# Altium PCB SCP.PcbDoc
Units mil, origin at the board's own origin, x right, y up, seen from the top; angles counter-clockwise.
Board outline 5246.53 x 1889.76 mil, 2 copper layers (Top Layer, Bottom Layer); 35 components, 17 nets, 98 pads, 16 vias.
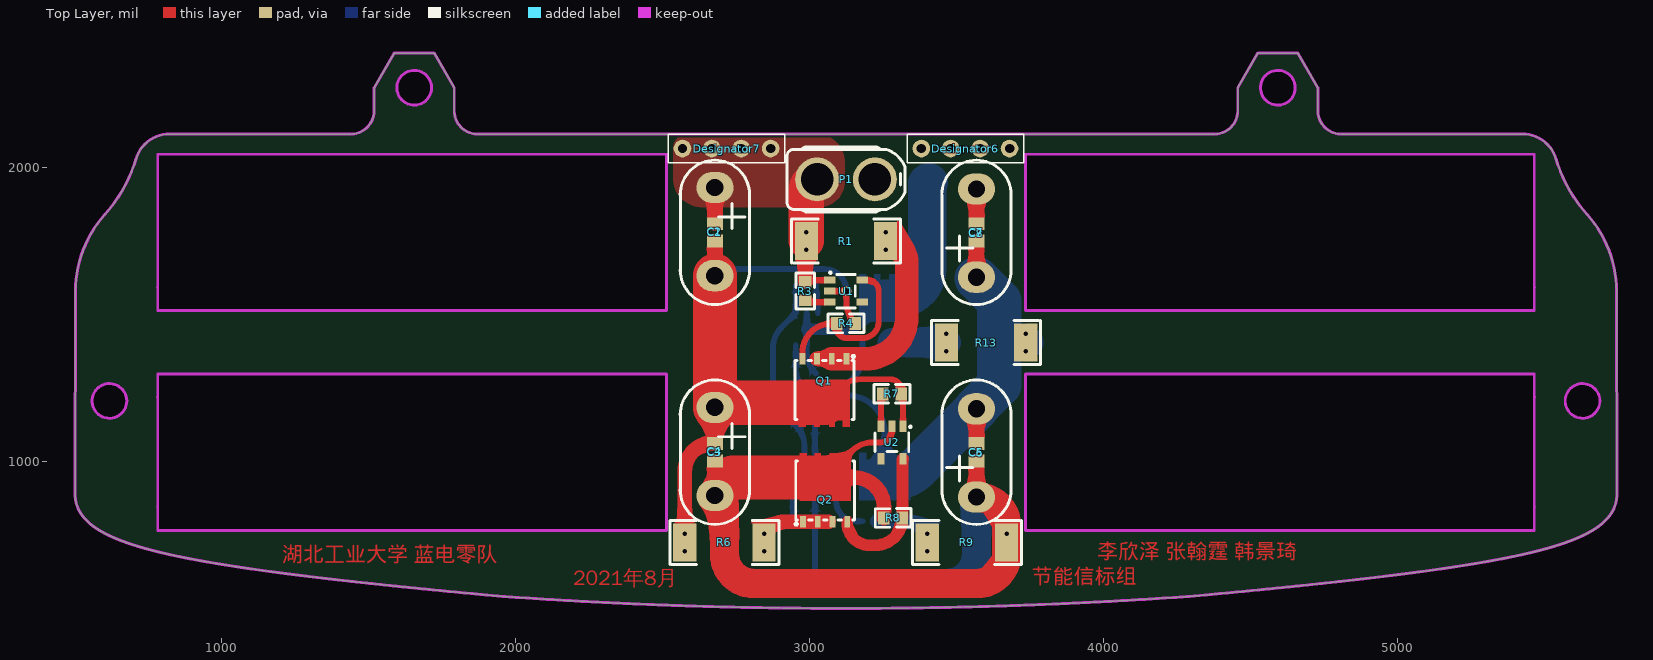
[diagram p0: Top Layer view]
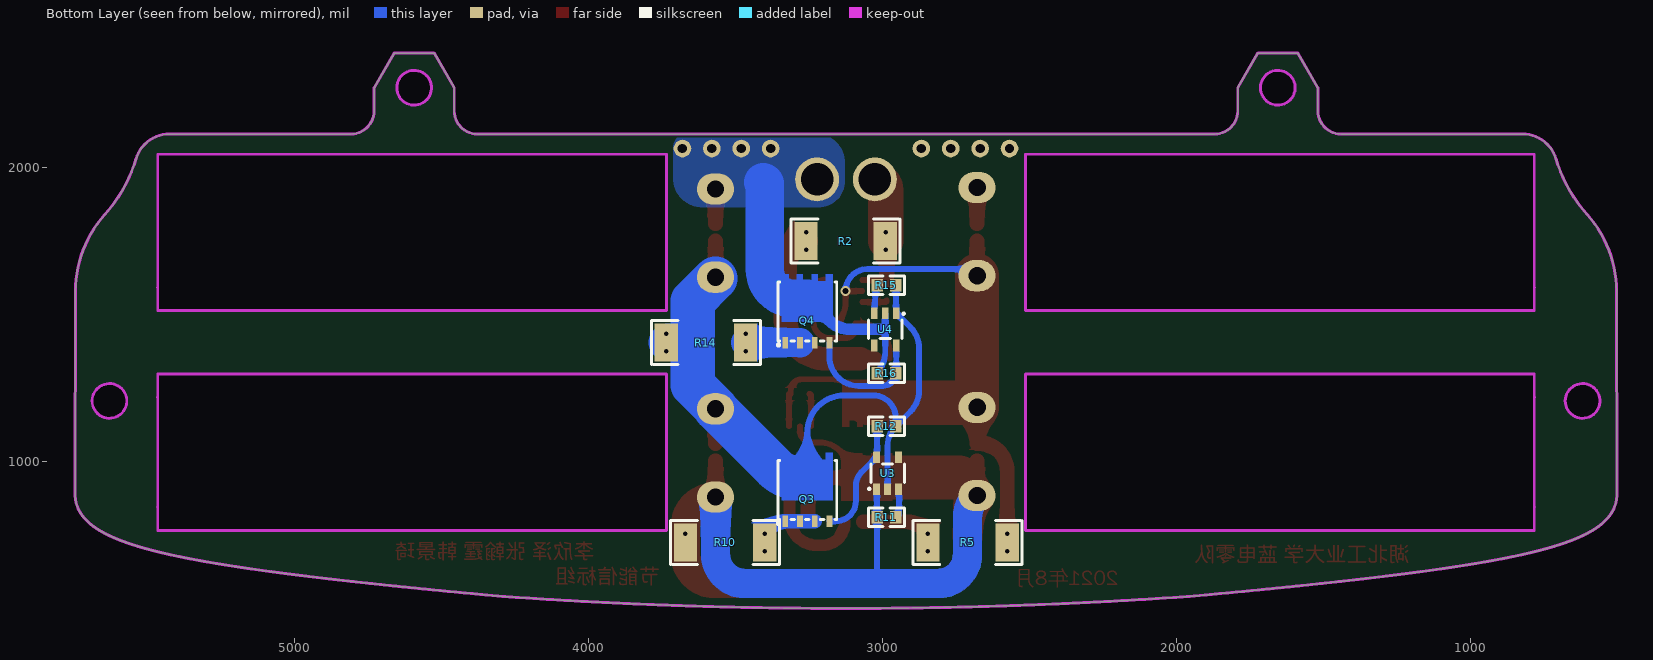
[diagram p1: Bottom Layer view, seen from below]

## Layer stack, top to bottom
Top Solder: solder mask 0.4, Solder Resist, Dk 3.5
Top Layer: signal copper 1.4
Dielectric 1: dielectric 12.6, FR-4, Dk 4.8
Bottom Layer: signal copper 1.4
Bottom Solder: solder mask 0.4, Solder Resist, Dk 3.5

## Board outline
1156 vertices, not listed, extent 500.25,500.25 5746.78,2390.01
cut-out: 617.44,1147.14 cw(c617.44,1206.2) 558.39,1206.2 cw(c617.44,1206.2) 617.44,1265.25 cw(c617.44,1206.2) 676.5,1206.2 cw(c617.44,1206.2)
cut-out: 1654.22,2212.85 cw(c1654.22,2271.9) 1595.17,2271.9 cw(c1654.22,2271.9) 1654.22,2330.96 cw(c1654.22,2271.9) 1713.28,2271.9 cw(c1654.22,2271.9)
cut-out: 4533.75,2271.9 ccw(c4592.81,2271.9) 4592.81,2212.85 ccw(c4592.81,2271.9) 4651.86,2271.9 ccw(c4592.81,2271.9) 4592.81,2330.96 ccw(c4592.81,2271.9)
cut-out: 5570.53,1206.2 ccw(c5629.59,1206.2) 5629.59,1147.14 ccw(c5629.59,1206.2) 5688.64,1206.2 ccw(c5629.59,1206.2) 5629.59,1265.25 ccw(c5629.59,1206.2)
cut-out: 3733.75,766 5465.26,766 5465.26,1297.49 3733.75,1297.49
cut-out: 3733.75,1514.03 5465.26,1514.03 5465.26,2045.52 3733.75,2045.52
cut-out: 781.77,1514.03 781.77,2045.52 2513.28,2045.52 2513.28,1514.03
cut-out: 781.77,766 2513.28,766 2513.28,1297.49 781.77,1297.49

## Design rules (kind name [scope] priority, off if disabled: settings)
Clearance [All] p1: gap=8 ignorepadtopadclearanceinfootprint=TRUE
HoleSize [All] p1: absolutevalues=TRUE maxlimit=10000 minlimit=1 maxpercent=80.000 minpercent=20.000
HoleToHoleClearance [All] p1: gap=8 allowstackedmicrovias=TRUE
MinimumSolderMaskSliver [All] p1: minsoldermaskwidth=8
PolygonConnect PolygonConnect_2 [All vs IsNamedPolygon('eGND_L02_P012') or IsNamedPolygon('NONET_L-01_P-001') or IsNamedPolygon('NONET_L-01_P-001')] p1: thpad.connectstyle=Direct thpad.reliefconductorwidth=10 thpad.reliefentries=4 thpad.polygonreliefangle="90 Angle" thpad.airgapwidth=10 smdpad.connectstyle=Relief smdpad.reliefconductorwidth=10 smdpad.reliefentries=4 smdpad.polygonreliefangle="90 Angle" smdpad.airgapwidth=10 via.connectstyle=Relief via.reliefconductorwidth=10 via.reliefentries=4 via.polygonreliefangle="90 Angle" via.airgapwidth=10
PolygonConnect PolygonConnect_1 [All vs IsNamedPolygon('ISN_L01_P010')] p2: thpad.connectstyle=Direct thpad.reliefconductorwidth=10 thpad.reliefentries=4 thpad.polygonreliefangle="90 Angle" thpad.airgapwidth=10 smdpad.connectstyle=Relief smdpad.reliefconductorwidth=10 smdpad.reliefentries=4 smdpad.polygonreliefangle="90 Angle" smdpad.airgapwidth=10 via.connectstyle=Relief via.reliefconductorwidth=10 via.reliefentries=4 via.polygonreliefangle="90 Angle" via.airgapwidth=10
PolygonConnect [All] p3: connectstyle=Relief reliefconductorwidth=10 reliefentries=4 polygonreliefangle="90 Angle" airgapwidth=10
RoutingVias [All] p1: holewidth=14 width=24 viastyle="Through Hole" minholewidth=12 minwidth=23.94 maxholewidth=30 maxwidth=50
SilkToSilkClearance [All] p1: silktosilkclearance=0
SilkToSolderMaskClearance [IsPad] p1: minsilkscreentomaskgap=0 clearancetoexposedcopper=TRUE
SolderMaskExpansion [All] p1: expansion=4 istentingtop=FALSE
UnRoutedNet [All] p1: checkbadconnections=TRUE
Width [All] p1: maxlimit=300 minlimit=10 preferedwidth=60 minimp=50.000000 maximp=50.000000 favimp=50.000000
24 further rules are at their usual default settings.

## Classes and differential pairs
component class Ver.4_SCP: C1 C2 C3 C4 C5 C6 C7 C8 P1 Q1 Q2 Q3 Q4 R1 R2 R3 R4 R5 R6 R7 R8 R9 R10 R11 R12 R13 R14 R15 R16 U1 U2 U3 U4

## Components (designator, comment, footprint, x,y, rotation, side; value= is the part's Value field where it differs from the comment)
C1 "104" C0805 2677.5,1779.78 r90 top
C2 "104" "PCBComponent_1 - duplicate" 2680,1782.28 r180 top
C3 "104" C0805 2677.5,1031.75 r90 top
C4 "104" "PCBComponent_1 - duplicate" 2680,1034.25 r180 top
C5 "104" C0805 3567.5,1031.75 r270 top
C6 "104" "PCBComponent_1 - duplicate" 3565,1029.25 r0 top
C7 "104" C0805 3567.5,1779.78 r270 top
C8 "104" "PCBComponent_1 - duplicate" 3565,1777.28 r0 top
Designator6 "Comment" HDR_1X4#1 3380,2065 r90 top
Designator7 "Comment" HDR_1X4#2 2867.07,2065 r90 top
P1 "" "XT30 DIP" 3025.11,1960 r0 top
Q1 "TPH1R403NL" POWERVDFN-8_L6.2-W5.2-P1.27-LS6.0-BL 3050.15,1280 r180 top
Q2 "TPH1R403NL" POWERVDFN-8_L6.2-W5.2-P1.27-LS6.0-BL 3052.5,865 r0 top
Q3 "TPH1R403NL" POWERVDFN-8_L6.2-W5.2-P1.27-LS6.0-BL 3255,866.87 r180 bottom
Q4 "TPH1R403NL" POWERVDFN-8_L6.2-W5.2-P1.27-LS6.0-BL 3255,1474.3 r180 bottom
R1 "4R7" "R2512 1" 3123.52,1750 r0 top
R2 "4R7" "R2512 1" 3125,1750 r0 bottom
R3 "1k" R0603 2985,1580 r90 top
R4 "1k" R0603 3123.53,1470 r180 top
R5 "4R7" "R2512 1" 2710,725 r0 bottom
R6 "4R7" "R2512 1" 2710,725 r0 top
R7 "1k" R0603 3280,1230 r0 top
R8 "1k" R0603 3284,807.93 r0 top
R9 "4R7" "R2512 1" 3535,725 r180 top
R10 "4R7" "R2512 1" 3535,725 r180 bottom
R11 "1k" R0603 2985.98,810 r0 bottom
R12 "1k" R0603 2985.98,1120 r0 bottom
R13 "4R7" "R2512 1" 3600,1405 r180 top
R14 "4R7" "R2512 1" 3600,1405 r180 bottom
R15 "1k" R0603 2986,1600 r180 bottom
R16 "1k" R0603 2986,1300 r180 bottom
U1 "" TSOT-23-5_L2.9-W1.6-P0.95-LS2.8-BL 3123.52,1580 r270 top
U2 "" TSOT-23-5_L2.9-W1.6-P0.95-LS2.8-BL 3280,1065 r180 top
U3 "" TSOT-23-5_L2.9-W1.6-P0.95-LS2.8-BL 2981.98,960.12 r180 bottom
U4 "" TSOT-23-5_L2.9-W1.6-P0.95-LS2.8-BL 2990,1450 r0 bottom

## Footprints (in the part's own frame and the unit in brackets; to place one, negate y for a bottom-side part, rotate by r counter-clockwise, add the part's x,y. Pads: shape width x height; smd on the part's side, far side on the other; paste and mask are expansions set on the pad)
C0805 [mm] "Chip Capacitor, Body 2.0x1.3mm, IPC High Density"
  rect 1.1x1.4 smd: 1(-0.75,0) 2(0.75,0)
  body extent -1.1,-0.72 1.1,0.72, height 1.4
HDR_1X4#1 [mil] "HDR_1X4_2.54_180"
  round 60 hole 32: 1(0,0) 2(0,-100) 3(0,-200) 4(0,-300)
  silkscreen extent -48,-348 48,48, body extent -49,-350 49,50, height 323
HDR_1X4#2 [mil] "HDR_1X4_2.54_180"
  round 60 hole 32: 1(0,0) 2(0,100) 3(0,200) 4(0,300)
  silkscreen extent -48,-48 48,348, body extent -49,-58 49,342, height 323
"PCBComponent_1 - duplicate" [mm]
  oval 3.2x2.7 hole 1.5: 1(0.064,3.81) 2(0.064,-3.81)
  silkscreen extent -2.94,-6.17 3.06,6.3
POWERVDFN-8_L6.2-W5.2-P1.27-LS6.0-BL [mm] "5"
  rect 0.5x1 smd: 1(-1.905,-1.775) 2(-0.635,-1.775) 3(0.635,-1.775) 4(1.905,-1.775)
  round 0 all layers, no hole: 5(0,2.032)
  Top Layer region: -2.2,0.025 -2.2,4.125 -1.6,4.125 -1.6,3.525 -0.9,3.525 -0.9,4.125 -0.4,4.125 -0.4,3.525 0.4,3.525 0.4,4.125 0.9,4.125 0.9,3.525 1.6,3.525 1.6,4.125 2.2,4.125 2.2,0.025
  silkscreen extent -2.6,-2.07 2.54,3.47
R0603 [mm]
  rect 1x1.1 smd: 1(-0.8,0) 2(0.8,0)
  silkscreen extent -1.55,-0.8 1.55,0.81
"R2512 1" [mm]
  rect 2x3.3 smd: 1(-3.429,0) 2(3.429,0)
  silkscreen extent -4.7,-1.91 4.7,1.91
TSOT-23-5_L2.9-W1.6-P0.95-LS2.8-BL [mm]
  rect 0.6x1 smd: 1(-0.95,-1.4) 2(0,-1.4) 3(0.95,-1.4) 4(0.95,1.4) 5(-0.95,1.4)
  silkscreen extent -1.65,-1.41 1.45,0.8
"XT30 DIP" [mm]
  round 3.8 hole 2.8: 1(0,0) 2(5,0)
  silkscreen extent -2.6,-2.8 7.6,2.8

## Part data
P1: library part "XT30 DIP", "XT30 板载直头直插"
Q1 Q2 Q3 Q4: BOM_JLCPCB Part Class="Extended Part", BOM_Manufacturer=TOSHIBA, BOM_Manufacturer Part=TPH1R403NL, BOM_Supplier=LCSC, BOM_Supplier Part=C83440, spicePre=Q, spiceSymbolName=TPH1R403NL
R1 R2 R5 R6 R9 R10 R13 R14: BOM_Manufacturer=PANASONIC, BOM_Manufacturer Part=ERJPB6B4701V, BOM_Supplier=LCSC, BOM_Supplier Part=C413739, Contributor=LCSC, nameAlias="Resistance (Ohms)", spicePre=R, spiceSymbolName=ERJPB6B4701V
U1 U3 U4: library part BW6101, BOM_LCSC Assembly=Yes, BOM_Manufacturer=00, BOM_Manufacturer Part=00, BOM_Supplier Part=0000, Contributor=futuresailor, link=00, SMT Type=Extend, spicePre=U, spiceSymbolName=BW6101
U2: library part BW6101, BOM_LCSC Assembly=Yes, Contributor=futuresailor, link=00, SMT Type=Extend, spicePre=U, spiceSymbolName=BW6101
C1 C2 C3 C4 C5 C6 C7 C8: Contributor=LCEDA_Lib, nameAlias=Value(F), spicePre=C, spiceSymbolName=C_0805_US
R3 R4 R7 R8 R11 R12 R15 R16: Contributor=LCEDA_Lib, nameAlias=Value(Ω), spicePre=R, spiceSymbolName=R_0603_EU

## Via types
v1: diameter 30, hole 15, Top Layer to Bottom Layer, 15 vias
v2: diameter 35, hole 20, Top Layer to Bottom Layer, tented both sides, 1 vias

## Nets (pads, with @x,y where several pads share a name; then routed paths per layer and width w, separated by ;. In a path a pad name is that pad's centre, name@x,y a point inside that pad or via, vN(x,y) a via of type N, cw(c..) or ccw(c..) an arc to the next point about the centre after c; other vN are vias at no path point)
GND: C7.1 C8.1 Designator6.1 Designator6.2 Designator6.3 Designator6.4 P1.2 Q4.5 R16.1 U4.2 | length 1143.1
  Top Layer w20: C8.1@3560,1903.96 cw(c3568.54,1903.96) C8.1@3562.5,1910
  Top Layer w50: C7.1 C8.1
  Bottom Layer w20: U4.2 2990,1450 2990,1372.91 ccw(c3090,1372.91) 3019.29,1302.2 R16.1@3021.49,1300
  Bottom Layer w40: 2990,1450 3109.28,1450 ccw(c3109.28,1550) 3179.99,1479.29 Q4.5
  Bottom Layer w130: Q4.5 3300,1554.3 ccw(c3300,1654.3) 3400,1654.3 3400,1945 cw(c3405,1945) 3405,1950
ISN: C1.2 C2.2 Designator7.1 Designator7.2 Designator7.3 Designator7.4 P1.1 R1.1 R2.1 R3.2 U1.1 | length 551.1
  Top Layer w20: R3.2 cw(c2990.91,1611.49) 2990.91,1617.4 U1.1
  Top Layer w50: C1.2 C2.2 ; R3.2 2985,1716.48 cw(c2988.52,1716.48) v1(2988.52,1720)
  Top Layer w120: R1.1 v1(2988.52,1780) 2988.52,1923.41 cw(c3025.11,1923.41) P1.1
NetC1_1: C1.1 C2.1 C3.2 C4.2 Q1.5 R4.1 R5.1 R6.1 R7.2 U1.2 U2.1 | length 2643.4
  Top Layer w20: C2.1 cw(c2705.22,1632.28) 2677.5,1632.55 cw(c2705.22,1632.28) C2.1@2705.22,1660 ; Q1.5 3089.68,1200 cw(c3169.68,1200) 3169.68,1280 3275,1280 cw(c3275,1243.51) 3311.49,1243.51 R7.2 ; U1.2 v2(3125,1580) 3125,1541.44 ccw(c3225,1541.44) 3154.29,1470.73 R4.1 ; U2.1 R7.2@3317.4,1230
  Top Layer w50: R6.1 v1(2575,755) 2575,966.23 cw(c2673.77,966.23) 2650.62,1062.25 cw(c2662.31,1013.63) C3.2 C4.2 ; C2.1@2677.5,1632.55 C1.1
  Top Layer w100: C4.2 cw(c2693.25,1184.25) C4.2@2693.25,1200
  Top Layer w150: C4.2 C2.1 ; C4.2@2693.25,1200 Q1.5
  Bottom Layer w20: C2.1 cw(c2700.22,1632.28) 2700.22,1655 3050,1655 cw(c3050,1580) v2(3125,1580)
  other v1: 2575,695
NetC3_1: C3.1 C4.1 C5.2 C6.2 Q2.5 R8.1 R9.1 R10.1 R11.2 U2.2 U3.1 | length 4497.3
  Top Layer w20: Q2.5 3143.21,1035.71 cw(c3213.93,965) 3213.93,1065 3240,1065 ccw(c3240,1105) 3280,1105 U2.2
  Top Layer w50: C4.1@2677.5,884.59 C3.1 ; Q2.5 3152.51,945 cw(c3152.51,845) 3252.51,845 R8.1 ; C6.2 C5.2
  Top Layer w100: 2738.25,945 ccw(c2738.25,884.25) 2677.5,884.59 ccw(c2738.25,884.25) C4.1 2685.64,884.25 2688.55,881.34 2688.55,873.2 2710,851.74 2710,685 ccw(c2810,685) 2810,585 3570,585 ccw(c3570,685) 3670,685 R9.1 v1(3670,755) 3670,779.25 ccw(c3570,779.25) 3570,879.25 C6.2
  Top Layer w150: 2738.25,945 Q2.5
  Bottom Layer w20: 3015,585 ccw(c3015,587.47) 3017.47,587.47 R11.2 3018.42,810.95 3018.42,904.04 U3.1
  Bottom Layer w100: C4.1 2680.71,881.03 cw(c2610,810.32) 2710,810.32 2710,685 ccw(c2810,685) 2810,585 3015,585 3467.5,585 ccw(c3467.5,685) 3567.5,685 C6.2
NetC5_1: C5.1 C6.1 C7.2 C8.2 Q3.5 R12.1 R13.1 R14.1 R15.2 U3.2 U4.1 | length 2601.9
  Top Layer w50: C5.1 C6.1 ; C8.2 C7.2
  Bottom Layer w20: R15.2 2953.55,1599.05 2953.55,1506.07 U4.1 2904.29,1456.81 ccw(c2975,1386.1) 2875,1386.1 2875,1240.9 ccw(c2975,1240.9) 2904.29,1170.19 R12.1 ; U3.2 2981.98,1053.62 ccw(c2888.1,1053.62) R12.1 ; Q3.5 3255,1100 ccw(c3130,1100) 3130,1225 3030,1225 ccw(c3030,1149.48) 2954.48,1149.48 R12.1
  Bottom Layer w120: C6.1 C6.1@3567.5,1183.11 ; C8.2@3567.5,1623.42 C8.2 ; 3645,1410 3645.04,1409.96 3730.04,1409.96 R14.1
  Bottom Layer w150: Q3.5 3293.7,946.87 ccw(c3293.7,1046.87) 3364.41,976.16 C6.1 ; C6.1@3567.5,1183.11 3645,1260.6 3645,1405 ; C8.2@3567.5,1623.42 3645,1545.92 3645,1410
  other v1: 3735,1375 3735,1435
NetQ1_1: Q1.1 Q1.2 Q1.3 R1.2 R2.2 | length 685.6
  Top Layer w50: Q1.3 Q1.2
  Top Layer w80: Q1.2 Q1.1 3189.88,1349.88 ccw(c3189.88,1490) 3330,1490 3330,1678.51 ccw(c3258.51,1678.51) R1.2
  other v1: 3258.51,1720 3258.51,1780
NetQ1_4: Q1.4 R4.2 U1.5 | length 586.5
  Top Layer w20: Q1.4 2975.15,1370 cw(c3075.15,1370) 3075.15,1470 R4.2 3092.03,1452.97 ccw(c3125,1452.97) 3125,1420 3178.82,1420 ccw(c3178.82,1476.18) 3235,1476.18 3235,1580 ccw(c3197.6,1580) 3197.6,1617.4 U1.5
NetQ2_1: Q2.1 Q2.2 Q2.3 R5.2 R6.2 | length 260
  Top Layer w50: R6.2 cw(c2915,725) 2915,795 3065,795
  other v1: 2845,695 2845,755
NetQ2_4: Q2.4 R8.2 U2.5 | length 490.4
  Top Layer w40: Q2.4 3127.5,792.5 ccw(c3205,792.5) 3205,715 3222.56,715 ccw(c3222.56,807.93) R8.2 3315.49,1005.27 cw(c3322.01,1005.27) U2.5
NetQ3_1: Q3.1 Q3.2 Q3.3 R9.2 R10.2 | length 211.1
  Bottom Layer w50: Q3.3 Q3.2 3328.02,796.99 cw(c3328.02,725) R10.2
  other v1: 3400,695 3400,755
NetQ3_4: Q3.4 R12.2 U3.5 | length 411
  Bottom Layer w20: R12.2 3017.47,1025.02 3019.38,1023.11 U3.5 3070.71,963.91 cw(c3024.14,917.34) 3090,917.34 3090,865 ccw(c3158.01,865) 3158.01,796.99 Q3.4
NetQ4_1: Q4.1 Q4.2 Q4.3 R13.2 R14.2 | length 185.6
  Bottom Layer w100: Q4.2 3280,1405 R14.2
  other v1: 3465,1375 3465,1435
NetQ4_4: Q4.4 R16.2 U4.5 | length 450.1
  Bottom Layer w20: U4.5 2952.6,1301.91 ccw(c2954.51,1301.91) R16.2 ccw(c2997.22,1300) 2997.22,1257.29 3080,1257.29 ccw(c3080,1357.29) 3180,1357.29 Q4.4
NetR3_1: R3.1 U1.3 | length 86.8
  Top Layer w20: R3.1 ccw(c2990.91,1548.51) 2990.91,1542.6 U1.3
NetR7_1: R7.1 U2.3 | length 113.3
  Top Layer w20: U2.3 3242.6,1224.09 cw(c3248.51,1224.09) R7.1
NetR11_1: R11.1 U3.3 | length 96.6
  Bottom Layer w20: U3.3@2942.6,905 2942.6,824.27 ccw(c2962.77,824.27) R11.1@2948.51,810
NetR15_1: R15.1 U4.3 | length 95.1
  Bottom Layer w20: R15.1@3021.49,1600 U4.3
pads on no net: U1.4 U2.4 U3.4 U4.4

## Polygon pours and split planes (outlines as drawn)
ISN on Top Layer "NONET_L-01_P-001" (solid, remove dead copper, pour order 0): 2535,2064.13 2535,1965 ccw(c2635,1965) 2635,1865 3030,1865 ccw(c3030,1955) 3120,1955 3120,2015 ccw(c3020,2015) 3020,2115 2585.87,2115 ccw(c2585.87,2064.13)
GND on Bottom Layer "NONET_L-01_P-001" (solid, remove dead copper, pour order 1): 3712.07,2068.46 3712.07,1965 cw(c3612.07,1965) 3612.07,1865 3217.07,1865 cw(c3217.07,1955) 3127.07,1955 3127.07,2015 cw(c3227.07,2015) 3227.07,2115 3665.52,2115 cw(c3665.52,2068.46)

## Keep-outs
Keep-Out Layer:
  circle w10: c1654.22,2271.9 r59.06
  circle w10: c617.44,1206.2 r59.06
  circle w10: c4592.81,2271.9 r59.06
  circle w10: c5629.59,1206.2 r59.06
  lines w10: 781.38,844.74 781.77,844.74 ; 781.38,1218.75 781.77,1218.75 ; 781.38,1592.77 781.77,1592.77 ; 5465.26,844.74 5465.65,844.74 ; 5465.26,1218.75 5465.65,1218.75 ; 5465.26,1592.77 5465.65,1592.77 ; 3120.84,500.25 3120.87,500.25 ; 3120.87,500.25 3120.89,500.25 ; 3120.89,500.25 3120.92,500.25 ; 3120.92,500.25 3120.95,500.25 ; 3120.95,500.25 3120.97,500.25 ; 3120.97,500.25 3121,500.25 3121.03,500.25 ; 3121.03,500.25 3121.05,500.25 ; 3121.05,500.25 3121.08,500.25 ; 3121.08,500.25 3121.11,500.25 ; 3121.11,500.25 3121.13,500.25 ; 3121.13,500.25 3121.16,500.25 ; 3121.16,500.25 3121.19,500.25 ; 3121.19,500.25 3121.22,500.25 ; 3121.22,500.25 3121.24,500.25 ; 3121.24,500.25 3121.27,500.25 ; 3121.27,500.25 3121.3,500.25 ; 3121.3,500.25 3121.32,500.25 ; 3121.32,500.25 3121.35,500.25 3121.38,500.25 ; 3121.38,500.25 3121.4,500.25 ; 3121.4,500.25 3121.43,500.25 ; 3121.43,500.25 3121.46,500.25 ; 3121.46,500.25 3121.48,500.25 ; 3121.48,500.25 3121.51,500.25 ; 3121.51,500.25 3121.54,500.25 ; 3121.54,500.25 3121.56,500.25 ; 3121.56,500.25 3121.59,500.25 ; 3121.59,500.25 3121.62,500.25 ; 3121.62,500.25 3121.64,500.25 ; 3121.64,500.25 3121.67,500.25 ; 3121.67,500.25 3121.7,500.25 ; 3121.7,500.25 3121.72,500.25 ; 3121.72,500.25 3121.75,500.25 3121.78,500.25 ; 3121.78,500.25 3121.8,500.25 ; 3121.8,500.25 3121.83,500.25 ; 3121.83,500.25 3121.86,500.25 ; 3121.86,500.25 3121.88,500.25 ; 3121.88,500.25 3121.91,500.25 ; 3121.91,500.25 3121.94,500.25 ; 3121.94,500.25 3121.96,500.25 ; 3121.96,500.25 3121.99,500.25 ; 3121.99,500.25 3122.02,500.25 ; 3122.02,500.25 3122.04,500.25 ; 3122.04,500.25 3122.07,500.25 ; 3122.07,500.25 3122.1,500.25 ; 3122.1,500.25 3122.12,500.25 ; 3122.12,500.25 3122.15,500.25 3122.18,500.25 ; 3122.18,500.25 3122.2,500.25 ; 3122.2,500.25 3122.23,500.25 ; 3122.23,500.25 3122.26,500.25 ; 3122.26,500.25 3122.29,500.25 ; 3122.29,500.25 3122.31,500.25 ; 3122.31,500.25 3122.34,500.25 ; 3122.34,500.25 3122.37,500.25 ; 3122.37,500.25 3122.39,500.25 ; 3122.39,500.25 3122.42,500.25 ; 3122.42,500.25 3122.45,500.25 ; 3122.45,500.25 3122.47,500.25 ; 3122.47,500.25 3122.5,500.25 3122.53,500.25 ; 3122.53,500.25 3122.55,500.25 ; 3122.55,500.25 3122.58,500.25 ; 3122.58,500.25 3122.61,500.25 ; 3122.61,500.25 3122.63,500.25 ; 3122.63,500.25 3122.66,500.25 ; 3122.66,500.25 3122.69,500.25 ; 3122.69,500.25 3122.71,500.25 ; 3122.71,500.25 3122.74,500.25 ; 3122.74,500.25 3122.77,500.25 ; 3122.77,500.25 3122.79,500.25 ; 3122.79,500.25 3122.82,500.25 ; 3122.82,500.25 3122.85,500.25 ; 3122.85,500.25 3122.87,500.25 ; 3122.87,500.25 3122.9,500.25 3122.93,500.25 ; 3122.93,500.25 3122.95,500.25 ; 3122.95,500.25 3122.98,500.25 ; 3122.98,500.25 3123.01,500.25 ; 3123.01,500.25 3123.03,500.25 ; 3123.03,500.25 3123.06,500.25 ; 3123.06,500.25 3123.09,500.25 ; 3123.09,500.25 3123.11,500.25 ; 3123.11,500.25 3123.14,500.25 ; 3123.14,500.25 3123.17,500.25 ; 3123.17,500.25 3123.19,500.25 ; 3123.19,500.25 3123.22,500.25 ; 3123.22,500.25 3123.25,500.25 ; 3123.25,500.25 3123.27,500.25 ; 3123.27,500.25 3123.3,500.25 3123.33,500.25 ; 3123.33,500.25 3123.36,500.25 ; 3123.36,500.25 3123.38,500.25 ; 3123.38,500.25 3123.41,500.25 ; 3123.41,500.25 3123.44,500.25 ; 3123.44,500.25 3123.46,500.25 ; 3123.46,500.25 3123.49,500.25 ; 3123.49,500.25 3123.52,500.25 ; 3123.52,500.25 3111.62,500.25 3099.73,500.27 3087.84,500.29 3075.95,500.32 3064.05,500.36 3052.16,500.4 3040.27,500.46 3028.38,500.52 3016.49,500.59 3004.6,500.67 2992.71,500.76 2980.82,500.86 2968.93,500.96 2957.04,501.07 2945.15,501.2 2933.27,501.33 2921.38,501.47 2909.49,501.61 2897.61,501.77 2885.72,501.93 2873.84,502.11 2861.96,502.29 2850.08,502.48 2838.19,502.67 2826.32,502.88 2814.44,503.1 2802.56,503.32 2790.68,503.55 2778.81,503.79 2766.93,504.04 2755.06,504.29 2743.19,504.56 2731.32,504.83 2719.45,505.11 2707.58,505.4 2695.72,505.7 2683.85,506.01 2671.99,506.33 2660.13,506.65 2648.27,506.98 2636.41,507.32 2624.56,507.67 2612.7,508.03 2600.85,508.4 2589,508.77 2577.15,509.15 2565.3,509.54 2553.46,509.94 2541.62,510.35 2529.78,510.77 2517.94,511.19 2506.1,511.62 2494.27,512.07 2482.44,512.51 2470.61,512.97 2458.78,513.44 2446.95,513.91 2435.13,514.4 2423.31,514.89 2411.49,515.39 2399.68,515.9 2387.87,516.41 2376.06,516.94 2364.25,517.47 2352.45,518.01 2340.64,518.56 2328.85,519.12 2317.05,519.69 2305.26,520.26 2293.47,520.85 2281.68,521.44 2269.89,522.04 2258.11,522.65 2246.34,523.26 2234.56,523.89 2222.79,524.52 2211.02,525.17 2199.25,525.82 2187.49,526.47 2175.73,527.14 2163.98,527.82 2152.23,528.5 2140.48,529.19 2128.73,529.89 2116.99,530.6 2105.25,531.32 2093.52,532.04 2081.79,532.78 2070.06,533.52 2058.34,534.27 2046.62,535.03 2034.9,535.79 2023.19,536.57 2011.49,537.35 1999.78,538.14 1988.08,538.94 1976.39,539.75 1964.69,540.57 1953.01,541.39 1941.32,542.22 1937.01,542.62 1928.42,543.41 1919.89,544.19 1911.42,544.98 1903.01,545.75 1894.64,546.53 1886.34,547.3 1878.08,548.07 1869.88,548.84 1861.74,549.6 1853.64,550.36 1845.6,551.12 1837.61,551.87 1829.68,552.62 1821.79,553.37 1813.95,554.11 1806.16,554.85 1798.42,555.59 1790.74,556.32 1783.1,557.06 1775.5,557.78 1767.96,558.51 1760.46,559.23 1753.01,559.96 1745.6,560.67 1738.25,561.39 1730.93,562.1 1723.66,562.81 1716.44,563.52 1709.26,564.23 1702.13,564.93 1695.04,565.63 1687.99,566.33 1680.98,567.02 1674.02,567.71 1667.1,568.4 1660.22,569.09 1653.39,569.78 1646.59,570.46 1639.83,571.14 1633.12,571.82 1626.44,572.5 1619.81,573.17 1613.21,573.84 1606.66,574.51 1600.14,575.18 1593.66,575.85 1587.22,576.51 1580.81,577.17 1574.45,577.83 1568.12,578.49 1561.83,579.14 1555.57,579.8 1549.35,580.45 1543.17,581.1 1537.02,581.74 1530.91,582.39 1524.83,583.03 1518.79,583.67 1512.78,584.31 1506.8,584.95 1500.86,585.59 1494.96,586.22 1489.09,586.86 1483.25,587.49 1477.44,588.12 1471.67,588.75 1465.93,589.37 1460.22,590 1454.54,590.62 1448.89,591.24 1443.28,591.86 1437.7,592.48 1432.15,593.1 1426.63,593.71 1421.14,594.33 1415.68,594.94 1410.25,595.55 1404.84,596.16 1399.47,596.77 1394.13,597.37 1388.82,597.98 1383.54,598.58 1378.28,599.18 1373.06,599.78 1367.86,600.38 1362.69,600.98 1357.55,601.58 1352.44,602.18 1347.35,602.77 1342.29,603.36 1337.26,603.96 1332.25,604.55 1327.28,605.14 1322.32,605.72 1317.4,606.31 1312.5,606.9 1307.63,607.48 1302.78,608.07 1297.96,608.65 1293.16,609.23 1288.39,609.81 1283.64,610.39 1278.92,610.97 1274.23,611.55 1269.55,612.13 1264.91,612.7 1260.28,613.28 1255.68,613.85 1251.11,614.42 1246.56,614.99 1242.03,615.57 1237.52,616.14 1233.04,616.71 1228.58,617.27 1224.15,617.84 1219.74,618.41 1215.35,618.97 1210.98,619.54 1206.63,620.1 1202.31,620.67 1198.01,621.23 1193.73,621.79 1189.47,622.35 1185.24,622.91 1181.02,623.47 1176.83,624.03 1172.66,624.59 1168.51,625.15 1164.38,625.7 1160.27,626.26 1156.18,626.82 1152.11,627.37 1148.07,627.92 1144.04,628.48 1140.03,629.03 1136.04,629.58 1132.08,630.14 1128.13,630.69 1124.2,631.24 1120.29,631.79 1116.4,632.34 1112.54,632.89 1108.68,633.44 1104.85,633.99 1101.04,634.53 1097.25,635.08 1093.47,635.63 1089.72,636.17 1085.98,636.72 1082.26,637.27 1078.56,637.81 1074.87,638.36 1071.21,638.9 1067.56,639.44 1063.93,639.99 1060.32,640.53 1056.72,641.08 1053.15,641.62 1049.59,642.16 1046.05,642.7 1042.52,643.24 1039.01,643.79 1035.52,644.33 1032.05,644.87 1028.59,645.41 1025.15,645.95 1021.73,646.49 1018.32,647.03 1014.93,647.57 1011.56,648.11 1008.2,648.65 1004.86,649.19 1001.53,649.73 998.22,650.27 994.93,650.81 991.65,651.35 988.38,651.88 985.14,652.42 981.91,652.96 978.69,653.5 975.49,654.04 972.3,654.58 969.13,655.12 965.98,655.65 962.84,656.19 959.71,656.73 956.6,657.27 953.51,657.81 950.43,658.35 947.36,658.88 944.31,659.42 941.27,659.96 938.25,660.5 935.24,661.04 932.25,661.58 929.27,662.11 926.3,662.65 923.35,663.19 920.41,663.73 917.49,664.27 914.58,664.81 911.68,665.35 908.8,665.89 905.93,666.43 903.08,666.97 900.24,667.51 897.41,668.05 894.59,668.59 891.79,669.13 889,669.67 886.23,670.21 883.47,670.75 880.72,671.29 877.98,671.84 875.26,672.38 872.55,672.92 869.85,673.46 867.16,674.01 864.49,674.55 861.83,675.1 859.19,675.64 856.55,676.18 853.93,676.73 851.32,677.27 848.72,677.82 846.14,678.37 843.57,678.91 841,679.46 838.46,680.01 835.92,680.55 833.4,681.1 830.88,681.65 828.38,682.2 825.89,682.75 823.42,683.3 820.95,683.85 818.5,684.4 816.06,684.95 813.63,685.5 811.21,686.06 808.8,686.61 806.41,687.16 804.02,687.72 801.65,688.27 799.29,688.83 796.94,689.38 794.6,689.94 792.27,690.5 789.95,691.06 787.65,691.62 785.35,692.17 783.07,692.73 780.8,693.3 778.53,693.86 776.28,694.42 774.04,694.98 771.81,695.54 769.6,696.11 767.39,696.67 765.19,697.24 763,697.81 760.83,698.37 758.66,698.94 756.51,699.51 754.36,700.08 752.23,700.65 750.1,701.22 747.99,701.79 745.89,702.37 743.79,702.94 741.71,703.52 739.64,704.09 737.58,704.67 735.53,705.24 733.48,705.82 731.45,706.4 729.43,706.98 727.42,707.56 725.42,708.15 723.42,708.73 721.44,709.31 719.47,709.9 717.51,710.48 715.55,711.07 713.61,711.66 711.68,712.25 709.75,712.84 707.84,713.43 705.94,714.02 704.04,714.62 702.16,715.21 700.28,715.81 698.42,716.4 696.56,717 694.71,717.6 692.88,718.2 691.05,718.8 689.23,719.41 687.42,720.01 685.62,720.62 683.83,721.22 682.05,721.83 680.28,722.44 678.51,723.05 676.76,723.66 675.01,724.28 673.28,724.89 671.55,725.5 669.84,726.12 668.13,726.74 666.43,727.36 664.74,727.98 663.06,728.6 661.39,729.23 659.73,729.85 658.07,730.48 656.43,731.11 654.79,731.74 653.16,732.37 651.55,733 649.94,733.64 648.34,734.27 646.74,734.91 645.16,735.55 643.59,736.19 642.02,736.83 640.47,737.47 638.92,738.12 637.38,738.77 635.85,739.41 634.33,740.06 632.81,740.72 631.31,741.37 629.81,742.02 628.33,742.68 626.85,743.34 625.38,744 623.92,744.66 622.47,745.33 621.02,745.99 619.59,746.66 618.16,747.33 616.74,748 615.33,748.67 613.93,749.35 612.54,750.03 611.15,750.71 609.78,751.39 608.41,752.07 607.05,752.75 605.7,753.44 604.36,754.13 603.02,754.82 601.7,755.51 600.38,756.21 599.07,756.91 597.77,757.6 596.48,758.31 595.19,759.01 593.92,759.71 592.65,760.42 591.39,761.13 590.14,761.84 588.9,762.56 587.67,763.28 586.44,763.99 585.22,764.72 584.02,765.44 582.81,766.16 581.62,766.89 580.44,767.62 579.26,768.36 578.1,769.09 576.94,769.83 575.79,770.57 574.64,771.31 573.51,772.06 572.38,772.8 571.26,773.55 570.16,774.31 569.05,775.06 567.96,775.82 566.88,776.58 565.8,777.34 564.73,778.11 563.67,778.88 562.62,779.65 561.58,780.42 560.54,781.2 559.51,781.98 558.5,782.76 557.49,783.55 556.48,784.34 555.49,785.13 554.5,785.92 553.53,786.72 552.56,787.52 551.6,788.32 550.65,789.13 549.7,789.94 548.77,790.75 547.84,791.56 546.92,792.38 546.01,793.2 545.11,794.03 544.21,794.85 543.33,795.69 542.45,796.52 541.58,797.36 540.72,798.2 539.87,799.04 539.03,799.89 538.19,800.74 537.36,801.6 536.55,802.45 535.74,803.31 534.93,804.18 534.14,805.05 533.36,805.92 532.58,806.79 531.81,807.67 531.06,808.56 530.31,809.44 529.56,810.33 528.83,811.23 527.75,812.58 526.68,813.93 525.64,815.3 524.61,816.67 523.61,818.06 522.62,819.45 521.66,820.85 520.71,822.26 519.79,823.68 518.88,825.11 cw(c627.66,893.03) 517.7,827.04 cw(c626.27,892.19) 516.56,828.98 cw(c624.99,891.46) 515.46,830.94 cw(c623.71,890.75) 514.13,833.41 cw(c622.46,890.1) 512.85,835.91 cw(c621.23,889.49) 511.17,839.47 cw(c619.5,888.72) 506.09,852.68 cw(c620.01,888.88) 504.48,858.2 cw(c621.26,889.21) 503.63,861.58 cw(c622.51,889.5) 502.99,864.44 cw(c623.77,889.77) 502.53,866.75 cw(c625.09,890.02) 502.11,869.09 cw(c626.58,890.27) 501.73,871.46 501.47,873.25 501.24,875.05 501.03,876.88 500.85,878.71 500.69,880.56 500.55,882.43 500.44,884.32 500.38,885.58 500.33,886.85 500.29,888.13 500.27,889.42 500.25,891.36 501.75,1579.17 cw(c895.45,1578.31) 601.96,1840.73 ccw(c229.81,2173.48) 708.03,2030.21 cw(c821.17,1996.31) 821.17,2114.42 1439.1,2114.42 ccw(c1439.1,2193.16) 1517.84,2193.16 1517.84,2271.9 1586.03,2390.01 1722.41,2390.01 1790.61,2271.9 1790.61,2193.16 ccw(c1869.35,2193.16) 1869.35,2114.42 3123.52,2114.42 4377.68,2114.42 ccw(c4377.68,2193.16) 4456.42,2193.16 4456.42,2271.9 4524.62,2390.01 4661,2390.01 4729.19,2271.9 4729.19,2193.16 ccw(c4807.93,2193.16) 4807.93,2114.42 5425.86,2114.42 cw(c5425.86,1996.31) 5539,2030.21 ccw(c6017.22,2173.48) 5645.07,1840.73 cw(c5351.58,1578.31) 5745.28,1579.17 5746.78,891.35 5746.76,889.42 5746.74,888.13 5746.7,886.85 5746.65,885.58 5746.59,884.32 5746.48,882.43 5746.34,880.56 5746.18,878.71 5746,876.88 5745.79,875.05 5745.56,873.25 5745.3,871.46 cw(c5620.45,890.27) 5744.92,869.09 cw(c5621.94,890.02) 5744.5,866.75 cw(c5623.26,889.77) 5744.04,864.44 cw(c5624.52,889.5) 5743.4,861.58 cw(c5625.77,889.21) 5742.55,858.2 cw(c5627.02,888.88) 5740.94,852.68 cw(c5627.53,888.72) 5735.86,839.47 cw(c5625.8,889.49) 5734.18,835.91 cw(c5624.57,890.1) 5732.91,833.41 cw(c5623.32,890.75) 5731.57,830.94 cw(c5622.04,891.46) 5730.47,828.98 cw(c5620.76,892.19) 5729.33,827.04 cw(c5619.37,893.03) 5728.15,825.11 5727.24,823.68 5726.32,822.26 5725.37,820.85 5724.41,819.45 5723.42,818.06 5722.42,816.67 5721.39,815.3 5720.35,813.93 5719.28,812.58 5718.2,811.23 5717.47,810.33 5716.72,809.44 5715.97,808.56 5715.22,807.67 5714.45,806.79 5713.67,805.92 5712.89,805.05 5712.1,804.18 5711.29,803.31 5710.48,802.45 5709.67,801.6 5708.84,800.74 5708,799.89 5707.16,799.04 5706.31,798.2 5705.45,797.36 5704.58,796.52 5703.7,795.69 5702.82,794.85 5701.92,794.03 5701.02,793.2 5700.11,792.38 5699.19,791.56 5698.26,790.75 5697.33,789.94 5696.38,789.13 5695.43,788.32 5694.47,787.52 5693.5,786.72 5692.53,785.92 5691.54,785.13 5690.55,784.34 5689.54,783.55 5688.53,782.76 5687.52,781.98 5686.49,781.2 5685.45,780.42 5684.41,779.65 5683.36,778.88 5682.3,778.11 5681.23,777.34 5680.15,776.58 5679.07,775.82 5677.98,775.06 5676.88,774.31 5675.77,773.55 5674.65,772.8 5673.52,772.06 5672.39,771.31 5671.24,770.57 5670.09,769.83 5668.93,769.09 5667.77,768.36 5666.59,767.62 5665.41,766.89 5664.22,766.16 5663.02,765.44 5661.81,764.72 5660.59,763.99 5659.36,763.28 5658.13,762.56 5656.89,761.84 5655.64,761.13 5654.38,760.42 5653.11,759.71 5651.84,759.01 5650.55,758.31 5649.26,757.6 5647.96,756.91 5646.65,756.21 5645.33,755.51 5644.01,754.82 5642.67,754.13 5641.33,753.44 5639.98,752.75 5638.62,752.07 5637.25,751.39 5635.88,750.71 5634.49,750.03 5633.1,749.35 5631.7,748.67 5630.29,748 5628.87,747.33 5627.44,746.66 5626.01,745.99 5624.56,745.33 5623.11,744.66 5621.65,744 5620.18,743.34 5618.7,742.68 5617.22,742.02 5615.72,741.37 5614.22,740.72 5612.7,740.06 5611.18,739.41 5609.65,738.77 5608.11,738.12 5606.56,737.47 5605.01,736.83 5603.44,736.19 5601.87,735.55 5600.29,734.91 5598.69,734.27 5597.09,733.64 5595.48,733 5593.87,732.37 5592.24,731.74 5590.6,731.11 5588.96,730.48 5587.31,729.85 5585.64,729.23 5583.97,728.6 5582.29,727.98 5580.6,727.36 5578.9,726.74 5577.19,726.12 5575.48,725.5 5573.75,724.89 5572.02,724.28 5570.27,723.66 5568.52,723.05 5566.75,722.44 5564.98,721.83 5563.2,721.22 5561.41,720.62 5559.61,720.01 5557.8,719.41 5555.98,718.8 5554.15,718.2 5552.32,717.6 5550.47,717 5548.61,716.4 5546.75,715.81 5544.87,715.21 5542.99,714.62 5541.09,714.02 5539.19,713.43 5537.28,712.84 5535.35,712.25 5533.42,711.66 5531.48,711.07 5529.52,710.48 5527.56,709.9 5525.59,709.31 5523.61,708.73 5521.61,708.15 5519.61,707.56 5517.6,706.98 5515.58,706.4 5513.55,705.82 5511.5,705.24 5509.45,704.67 5507.39,704.09 5505.32,703.52 5503.24,702.94 5501.14,702.37 5499.04,701.79 5496.93,701.22 5494.8,700.65 5492.67,700.08 5490.52,699.51 5488.37,698.94 5486.2,698.37 5484.03,697.81 5481.84,697.24 5479.64,696.67 5477.43,696.11 5475.22,695.54 5472.99,694.98 5470.75,694.42 5468.5,693.86 5466.23,693.3 5463.96,692.73 5461.68,692.17 5459.38,691.62 5457.08,691.06 5454.76,690.5 5452.43,689.94 5450.09,689.38 5447.74,688.83 5445.38,688.27 5443.01,687.72 5440.62,687.16 5438.23,686.61 5435.82,686.06 5433.4,685.5 5430.97,684.95 5428.53,684.4 5426.08,683.85 5423.61,683.3 5421.14,682.75 5418.65,682.2 5416.15,681.65 5413.63,681.1 5411.11,680.55 5408.57,680.01 5406.03,679.46 5403.46,678.91 5400.89,678.37 5398.31,677.82 5395.71,677.27 5393.1,676.73 5390.48,676.18 5387.84,675.64 5385.2,675.1 5382.54,674.55 5379.87,674.01 5377.18,673.46 5374.48,672.92 5371.77,672.38 5369.05,671.84 5366.31,671.29 5363.57,670.75 5360.8,670.21 5358.03,669.67 5355.24,669.13 5352.44,668.59 5349.62,668.05 5346.79,667.51 5343.95,666.97 5341.1,666.43 5338.23,665.89 5335.35,665.35 5332.45,664.81 5329.54,664.27 5326.62,663.73 5323.68,663.19 5320.73,662.65 5317.76,662.11 5314.78,661.58 5311.79,661.04 5308.78,660.5 5305.76,659.96 5302.72,659.42 5299.67,658.88 5296.6,658.35 5293.52,657.81 5290.43,657.27 5287.32,656.73 5284.19,656.19 5281.05,655.65 5277.9,655.12 5274.73,654.58 5271.54,654.04 5268.34,653.5 5265.12,652.96 5261.89,652.42 5258.65,651.88 5255.38,651.35 5252.1,650.81 5248.81,650.27 5245.5,649.73 5242.17,649.19 5238.83,648.65 5235.47,648.11 5232.1,647.57 5228.71,647.03 5225.3,646.49 5221.88,645.95 5218.44,645.41 5214.98,644.87 5211.51,644.33 5208.02,643.79 5204.51,643.24 5200.98,642.7 5197.44,642.16 5193.88,641.62 5190.31,641.08 5186.71,640.53 5183.1,639.99 5179.47,639.44 5175.82,638.9 5172.16,638.36 5168.47,637.81 5164.77,637.27 5161.05,636.72 5157.31,636.17 5153.56,635.63 5149.78,635.08 5145.99,634.53 5142.18,633.99 5138.35,633.44 5134.5,632.89 5130.63,632.34 5126.74,631.79 5122.83,631.24 5118.9,630.69 5114.95,630.14 5110.99,629.58 5107,629.03 5102.99,628.48 5098.96,627.92 5094.92,627.37 5090.85,626.82 5086.76,626.26 5082.65,625.7 5078.52,625.15 5074.37,624.59 5070.2,624.03 5066.01,623.47 5061.79,622.91 5057.56,622.35 5053.3,621.79 5049.02,621.23 5044.72,620.67 5040.4,620.1 5036.05,619.54 5031.68,618.97 5027.29,618.41 5022.88,617.84 5018.45,617.27 5013.99,616.71 5009.51,616.14 5005,615.57 5000.47,614.99 4995.92,614.42 4991.35,613.85 4986.75,613.28 4982.12,612.7 4977.48,612.13 4972.8,611.55 4968.11,610.97 4963.39,610.39 4958.64,609.81 4953.87,609.23 4949.07,608.65 4944.25,608.07 4939.4,607.48 4934.53,606.9 4929.63,606.31 4924.71,605.72 4919.75,605.14 4914.78,604.55 4909.77,603.96 4904.74,603.36 4899.68,602.77 4894.59,602.18 4889.48,601.58 4884.34,600.98 4879.17,600.38 4873.97,599.78 4868.75,599.18 4863.49,598.58 4858.21,597.98 4852.9,597.37 4847.56,596.77 4842.19,596.16 4836.79,595.55 4831.36,594.94 4825.9,594.33 4820.4,593.71 4814.88,593.1 4809.33,592.48 4803.75,591.86 4798.14,591.24 4792.49,590.62 4786.81,590 4781.1,589.37 4775.36,588.75 4769.59,588.12 4763.78,587.49 4757.94,586.86 4752.07,586.22 4746.17,585.59 4740.23,584.95 4734.25,584.31 4728.24,583.67 4722.2,583.03 4716.12,582.39 4710.01,581.74 4703.86,581.1 4697.68,580.45 4691.46,579.8 4685.2,579.14 4678.91,578.49 4672.58,577.83 4666.22,577.17 4659.81,576.51 4653.37,575.85 4646.89,575.18 4640.37,574.51 4633.82,573.84 4627.22,573.17 4620.59,572.5 4613.91,571.82 4607.2,571.14 4600.44,570.46 4593.64,569.78 4586.81,569.09 4579.93,568.4 4573.01,567.71 4566.05,567.02 4559.04,566.33 4551.99,565.63 4544.9,564.93 4537.77,564.23 4530.59,563.52 4523.37,562.81 4516.1,562.1 4508.78,561.39 4501.43,560.67 4494.02,559.96 4486.57,559.23 4479.07,558.51 4471.53,557.78 4463.94,557.06 4456.29,556.32 4448.61,555.59 4440.87,554.85 4433.08,554.11 4425.24,553.37 4417.35,552.62 4409.42,551.87 4401.43,551.12 4393.39,550.36 4385.29,549.6 4377.15,548.84 4368.95,548.07 4360.69,547.3 4352.39,546.53 4344.02,545.75 4335.61,544.98 4327.14,544.19 4318.61,543.41 4310.02,542.62 4305.71,542.22 4294.02,541.39 4282.34,540.57 4270.64,539.75 4258.95,538.94 4247.25,538.14 4235.55,537.35 4223.84,536.57 4212.13,535.79 4200.41,535.03 4188.69,534.27 4176.97,533.52 4165.24,532.78 4153.51,532.04 4141.78,531.32 4130.04,530.6 4118.3,529.89 4106.55,529.19 4094.8,528.5 4083.05,527.82 4071.3,527.14 4059.54,526.47 4047.78,525.82 4036.01,525.17 4024.24,524.52 4012.47,523.89 4000.69,523.26 3988.92,522.65 3977.14,522.04 3965.35,521.44 3953.56,520.85 3941.77,520.26 3929.98,519.69 3918.18,519.12 3906.39,518.56 3894.58,518.01 3882.78,517.47 3870.97,516.94 3859.16,516.41 3847.35,515.9 3835.54,515.39 3823.72,514.89 3811.9,514.4 3800.08,513.91 3788.25,513.44 3776.42,512.97 3764.59,512.51 3752.76,512.07 3740.93,511.62 3729.09,511.19 3717.25,510.77 3705.41,510.35 3693.57,509.94 3681.73,509.54 3669.88,509.15 3658.03,508.77 3646.18,508.4 3634.33,508.03 3622.47,507.67 3610.62,507.32 3598.76,506.98 3586.9,506.65 3575.04,506.33 3563.18,506.01 3551.31,505.7 3539.45,505.4 3527.58,505.11 3515.71,504.83 3503.84,504.56 3491.97,504.29 3480.1,504.04 3468.22,503.79 3456.35,503.55 3444.47,503.32 3432.59,503.1 3420.72,502.88 3408.84,502.67 3396.95,502.48 3385.07,502.29 3373.19,502.11 3361.31,501.93 3349.42,501.77 3337.54,501.61 3325.65,501.47 3313.76,501.33 3301.88,501.2 3289.99,501.07 3278.1,500.96 3266.21,500.86 3254.32,500.76 3242.43,500.67 3230.54,500.59 3218.65,500.52 3206.76,500.46 3194.87,500.4 3182.98,500.36 3171.08,500.32 3159.19,500.29 3147.3,500.27 3135.41,500.25 3123.51,500.25 ; 781.77,766 2513.28,766 2513.28,1297.49 781.77,1297.49 781.77,766 ; 781.77,1514.03 2513.28,1514.03 2513.28,2045.52 781.77,2045.52 781.77,1514.03 ; 3733.75,766 3733.75,1297.49 5465.26,1297.49 5465.26,766 3733.75,766 ; 3733.75,1514.03 3733.75,2045.52 5465.26,2045.52 5465.26,1514.03 3733.75,1514.03

## Other copper
Top Layer:
  text "李欣泽 张翰霆 韩景琦" at 3977.95,650 h90
  text "湖北工业大学 蓝电零队" at 1205,640 h90
  text "节能信标组" at 3755,565 h90
  text "2021年8月" at 2195,560 h90

## Silkscreen, mask and mechanical layers (free items; w line width, h text height)
Top Solder:
  text "李欣泽 张翰霆 韩景琦" at 3977.95,650 h90
  text "湖北工业大学 蓝电零队" at 1205,640 h90
  text "节能信标组" at 3755,565 h90
  text "2021年8月" at 2195,560 h90
Mechanical 1:
  drawing of 1273 lines, arcs and shapes, not listed